# KiCad board GanJing 65 rev 2 solder-rounded.kicad_pcb (continued)
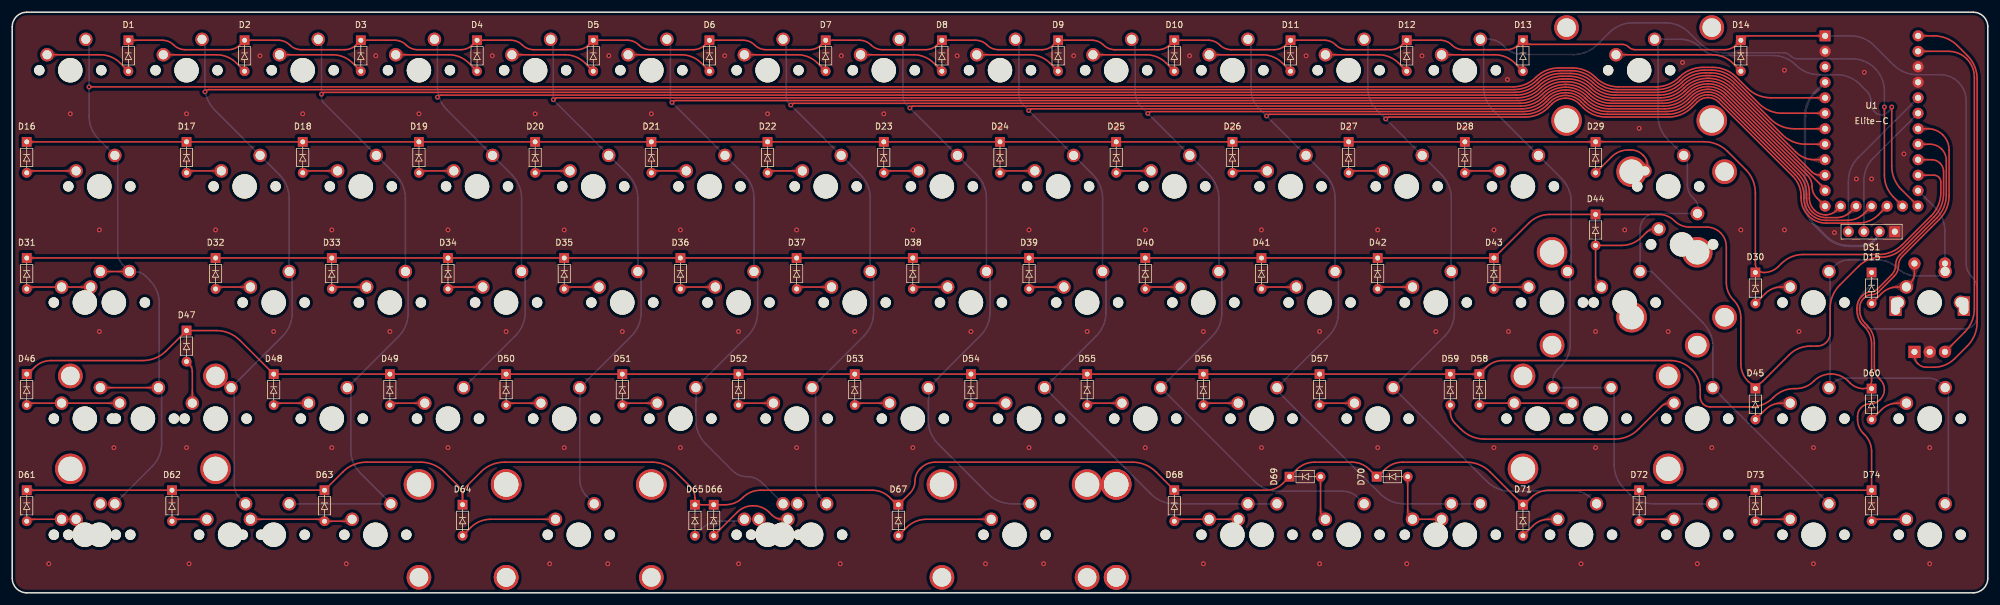
[diagram p0: board, top side]
## Copper pours and planes (outline as drawn; the poured copper is in the pictures) (continued)
Net-(D37-Pad2) on Top: 132.11,50.04 132.37,50.03 132.58,49.99 132.76,49.92 132.91,49.84 133.04,49.75 133.17,49.64 133.3,49.53 133.44,49.41 133.62,49.29 133.82,49.18 134.85,50.16 133.82,51.16 133.62,51.04 133.44,50.92 133.3,50.8 133.17,50.69 133.04,50.58 132.91,50.49 132.76,50.41 132.58,50.34 132.37,50.3 132.11,50.29
Net-(D37-Pad2) on Top: 130.12,50.29 129.91,50.3 129.74,50.32 129.59,50.36 129.46,50.41 129.34,50.46 129.22,50.51 129.1,50.56 128.97,50.6 128.81,50.63 128.62,50.65 128.22,49.69 129.19,49.32 129.29,49.44 129.36,49.55 129.43,49.65 129.5,49.75 129.57,49.83 129.64,49.9 129.73,49.96 129.83,50 129.97,50.03 130.12,50.04
Net-(D37-Pad2) on Top: 130.12,50.29 129.91,50.3 129.74,50.32 129.59,50.36 129.46,50.41 129.34,50.46 129.22,50.51 129.1,50.56 128.97,50.6 128.81,50.63 128.62,50.65 128.22,49.69 129.19,49.32 129.29,49.44 129.36,49.55 129.43,49.65 129.5,49.75 129.57,49.83 129.64,49.9 129.73,49.96 129.83,50 129.97,50.03 130.12,50.04
Net-(D38-Pad2) on Top: 149.18,50.29 148.96,50.3 148.79,50.32 148.64,50.36 148.51,50.41 148.39,50.46 148.27,50.51 148.15,50.56 148.02,50.6 147.86,50.63 147.67,50.65 147.27,49.69 148.24,49.32 148.34,49.44 148.41,49.55 148.48,49.65 148.55,49.75 148.62,49.83 148.69,49.9 148.78,49.96 148.88,50 149.02,50.03 149.18,50.04
Net-(D38-Pad2) on Top: 149.18,50.29 148.96,50.3 148.79,50.32 148.64,50.36 148.51,50.41 148.39,50.46 148.27,50.51 148.15,50.56 148.02,50.6 147.86,50.63 147.67,50.65 147.27,49.69 148.24,49.32 148.34,49.44 148.41,49.55 148.48,49.65 148.55,49.75 148.62,49.83 148.69,49.9 148.78,49.96 148.88,50 149.02,50.03 149.18,50.04
Net-(D38-Pad2) on Top: 151.16,50.04 151.42,50.03 151.63,49.99 151.81,49.92 151.96,49.84 152.09,49.75 152.22,49.64 152.35,49.53 152.49,49.41 152.67,49.29 152.87,49.18 153.9,50.16 152.87,51.16 152.67,51.04 152.49,50.92 152.35,50.8 152.22,50.69 152.09,50.58 151.96,50.49 151.81,50.41 151.63,50.34 151.42,50.3 151.16,50.29
Net-(D38-Pad2) on Top: 151.16,50.04 151.42,50.03 151.63,49.99 151.81,49.92 151.96,49.84 152.09,49.75 152.22,49.64 152.35,49.53 152.49,49.41 152.67,49.29 152.87,49.18 153.9,50.16 152.87,51.16 152.67,51.04 152.49,50.92 152.35,50.8 152.22,50.69 152.09,50.58 151.96,50.49 151.81,50.41 151.63,50.34 151.42,50.3 151.16,50.29
Net-(D39-Pad2) on Top: 170.21,50.04 170.47,50.03 170.68,49.99 170.86,49.92 171.01,49.84 171.14,49.75 171.27,49.64 171.4,49.53 171.54,49.41 171.72,49.29 171.92,49.18 172.95,50.16 171.92,51.16 171.72,51.04 171.54,50.92 171.4,50.8 171.27,50.69 171.14,50.58 171.01,50.49 170.86,50.41 170.68,50.34 170.47,50.3 170.21,50.29
Net-(D39-Pad2) on Top: 170.21,50.04 170.47,50.03 170.68,49.99 170.86,49.92 171.01,49.84 171.14,49.75 171.27,49.64 171.4,49.53 171.54,49.41 171.72,49.29 171.92,49.18 172.95,50.16 171.92,51.16 171.72,51.04 171.54,50.92 171.4,50.8 171.27,50.69 171.14,50.58 171.01,50.49 170.86,50.41 170.68,50.34 170.47,50.3 170.21,50.29
Net-(D39-Pad2) on Top: 168.22,50.29 168.01,50.3 167.84,50.32 167.69,50.36 167.56,50.41 167.44,50.46 167.32,50.51 167.2,50.56 167.07,50.6 166.91,50.63 166.72,50.65 166.32,49.69 167.29,49.32 167.39,49.44 167.46,49.55 167.53,49.65 167.6,49.75 167.67,49.83 167.74,49.9 167.83,49.96 167.93,50 168.07,50.03 168.22,50.04
Net-(D39-Pad2) on Top: 168.22,50.29 168.01,50.3 167.84,50.32 167.69,50.36 167.56,50.41 167.44,50.46 167.32,50.51 167.2,50.56 167.07,50.6 166.91,50.63 166.72,50.65 166.32,49.69 167.29,49.32 167.39,49.44 167.46,49.55 167.53,49.65 167.6,49.75 167.67,49.83 167.74,49.9 167.83,49.96 167.93,50 168.07,50.03 168.22,50.04
Net-(D40-Pad2) on Top: 189.26,50.04 189.52,50.03 189.73,49.99 189.91,49.92 190.06,49.84 190.19,49.75 190.32,49.64 190.45,49.53 190.59,49.41 190.77,49.29 190.97,49.18 192,50.16 190.97,51.16 190.77,51.04 190.59,50.92 190.45,50.8 190.32,50.69 190.19,50.58 190.06,50.49 189.91,50.41 189.73,50.34 189.52,50.3 189.26,50.29
Net-(D40-Pad2) on Top: 187.28,50.29 187.06,50.3 186.89,50.32 186.74,50.36 186.61,50.41 186.49,50.46 186.37,50.51 186.25,50.56 186.12,50.6 185.96,50.63 185.77,50.65 185.37,49.69 186.34,49.32 186.44,49.44 186.51,49.55 186.58,49.65 186.65,49.75 186.72,49.83 186.79,49.9 186.88,49.96 186.98,50 187.12,50.03 187.28,50.04
Net-(D40-Pad2) on Top: 189.26,50.04 189.52,50.03 189.73,49.99 189.91,49.92 190.06,49.84 190.19,49.75 190.32,49.64 190.45,49.53 190.59,49.41 190.77,49.29 190.97,49.18 192,50.16 190.97,51.16 190.77,51.04 190.59,50.92 190.45,50.8 190.32,50.69 190.19,50.58 190.06,50.49 189.91,50.41 189.73,50.34 189.52,50.3 189.26,50.29
Net-(D40-Pad2) on Top: 187.28,50.29 187.06,50.3 186.89,50.32 186.74,50.36 186.61,50.41 186.49,50.46 186.37,50.51 186.25,50.56 186.12,50.6 185.96,50.63 185.77,50.65 185.37,49.69 186.34,49.32 186.44,49.44 186.51,49.55 186.58,49.65 186.65,49.75 186.72,49.83 186.79,49.9 186.88,49.96 186.98,50 187.12,50.03 187.28,50.04
Net-(D41-Pad2) on Top: 208.31,50.04 208.57,50.03 208.78,49.99 208.96,49.92 209.11,49.84 209.24,49.75 209.37,49.64 209.5,49.53 209.64,49.41 209.82,49.29 210.02,49.18 211.05,50.16 210.02,51.16 209.82,51.04 209.64,50.92 209.5,50.8 209.37,50.69 209.24,50.58 209.11,50.49 208.96,50.41 208.78,50.34 208.57,50.3 208.31,50.29
Net-(D41-Pad2) on Top: 208.31,50.04 208.57,50.03 208.78,49.99 208.96,49.92 209.11,49.84 209.24,49.75 209.37,49.64 209.5,49.53 209.64,49.41 209.82,49.29 210.02,49.18 211.05,50.16 210.02,51.16 209.82,51.04 209.64,50.92 209.5,50.8 209.37,50.69 209.24,50.58 209.11,50.49 208.96,50.41 208.78,50.34 208.57,50.3 208.31,50.29
Net-(D41-Pad2) on Top: 206.33,50.29 206.11,50.3 205.94,50.32 205.79,50.36 205.66,50.41 205.54,50.46 205.42,50.51 205.3,50.56 205.17,50.6 205.01,50.63 204.82,50.65 204.42,49.69 205.39,49.32 205.49,49.44 205.56,49.55 205.63,49.65 205.7,49.75 205.77,49.83 205.84,49.9 205.93,49.96 206.03,50 206.17,50.03 206.33,50.04
Net-(D41-Pad2) on Top: 206.33,50.29 206.11,50.3 205.94,50.32 205.79,50.36 205.66,50.41 205.54,50.46 205.42,50.51 205.3,50.56 205.17,50.6 205.01,50.63 204.82,50.65 204.42,49.69 205.39,49.32 205.49,49.44 205.56,49.55 205.63,49.65 205.7,49.75 205.77,49.83 205.84,49.9 205.93,49.96 206.03,50 206.17,50.03 206.33,50.04
Net-(D42-Pad2) on Top: 227.36,50.04 227.62,50.03 227.83,49.99 228.01,49.92 228.16,49.84 228.29,49.75 228.42,49.64 228.55,49.53 228.69,49.41 228.87,49.29 229.07,49.18 230.1,50.16 229.07,51.16 228.87,51.04 228.69,50.92 228.55,50.8 228.42,50.69 228.29,50.58 228.16,50.49 228.01,50.41 227.83,50.34 227.62,50.3 227.36,50.29
Net-(D42-Pad2) on Top: 225.38,50.29 225.16,50.3 224.99,50.32 224.84,50.36 224.71,50.41 224.59,50.46 224.47,50.51 224.35,50.56 224.22,50.6 224.06,50.63 223.87,50.65 223.47,49.69 224.44,49.32 224.54,49.44 224.61,49.55 224.68,49.65 224.75,49.75 224.82,49.83 224.89,49.9 224.98,49.96 225.08,50 225.22,50.03 225.38,50.04
Net-(D42-Pad2) on Top: 227.36,50.04 227.62,50.03 227.83,49.99 228.01,49.92 228.16,49.84 228.29,49.75 228.42,49.64 228.55,49.53 228.69,49.41 228.87,49.29 229.07,49.18 230.1,50.16 229.07,51.16 228.87,51.04 228.69,50.92 228.55,50.8 228.42,50.69 228.29,50.58 228.16,50.49 228.01,50.41 227.83,50.34 227.62,50.3 227.36,50.29
Net-(D42-Pad2) on Top: 225.38,50.29 225.16,50.3 224.99,50.32 224.84,50.36 224.71,50.41 224.59,50.46 224.47,50.51 224.35,50.56 224.22,50.6 224.06,50.63 223.87,50.65 223.47,49.69 224.44,49.32 224.54,49.44 224.61,49.55 224.68,49.65 224.75,49.75 224.82,49.83 224.89,49.9 224.98,49.96 225.08,50 225.22,50.03 225.38,50.04
Net-(D43-Pad2) on Top: 244.42,50.29 244.21,50.3 244.04,50.32 243.89,50.36 243.76,50.41 243.64,50.46 243.52,50.51 243.4,50.56 243.27,50.6 243.11,50.63 242.92,50.65 242.52,49.69 243.49,49.32 243.59,49.44 243.66,49.55 243.73,49.65 243.8,49.75 243.87,49.83 243.94,49.9 244.03,49.96 244.13,50 244.27,50.03 244.42,50.04
Net-(D43-Pad2) on Top: 246.41,50.04 246.67,50.03 246.88,49.99 247.06,49.92 247.21,49.84 247.34,49.75 247.47,49.64 247.6,49.53 247.74,49.41 247.92,49.29 248.12,49.18 249.15,50.16 248.12,51.16 247.92,51.04 247.74,50.92 247.6,50.8 247.47,50.69 247.34,50.58 247.21,50.49 247.06,50.41 246.88,50.34 246.67,50.3 246.41,50.29
Net-(D43-Pad2) on Top: 246.41,50.04 246.67,50.03 246.88,49.99 247.06,49.92 247.21,49.84 247.34,49.75 247.47,49.64 247.6,49.53 247.74,49.41 247.92,49.29 248.12,49.18 249.15,50.16 248.12,51.16 247.92,51.04 247.74,50.92 247.6,50.8 247.47,50.69 247.34,50.58 247.21,50.49 247.06,50.41 246.88,50.34 246.67,50.3 246.41,50.29
Net-(D43-Pad2) on Top: 244.42,50.29 244.21,50.3 244.04,50.32 243.89,50.36 243.76,50.41 243.64,50.46 243.52,50.51 243.4,50.56 243.27,50.6 243.11,50.63 242.92,50.65 242.52,49.69 243.49,49.32 243.59,49.44 243.66,49.55 243.73,49.65 243.8,49.75 243.87,49.83 243.94,49.9 244.03,49.96 244.13,50 244.27,50.03 244.42,50.04
Net-(D44-Pad2) on Top: 259.43,52.06 259.43,51.8 259.43,51.58 259.43,51.39 259.41,50.77 259.41,50.59 259.41,50.4 259.41,50.16 260.84,49.73 261.01,51.15 260.81,51.23 260.62,51.29 260.44,51.33 260.26,51.38 260.1,51.42 259.96,51.49 259.85,51.57 259.76,51.69 259.7,51.85 259.68,52.06
Net-(D44-Pad2) on Top: 267.91,58.98 268.08,59.12 268.24,59.19 268.39,59.21 268.54,59.18 268.68,59.11 268.83,59.02 268.99,58.92 269.16,58.81 269.34,58.71 269.54,58.63 270.47,59.76 269.11,60.49 268.95,60.32 268.8,60.18 268.68,60.06 268.56,59.95 268.34,59.74 268.21,59.63 268.08,59.5 267.92,59.34 267.73,59.15
Net-(D44-Pad2) on Top: 259.43,52.06 259.43,51.8 259.43,51.58 259.43,51.39 259.41,50.77 259.41,50.59 259.41,50.4 259.41,50.16 260.84,49.73 261.01,51.15 260.81,51.23 260.62,51.29 260.44,51.33 260.26,51.38 260.1,51.42 259.96,51.49 259.85,51.57 259.76,51.69 259.7,51.85 259.68,52.06
Net-(D44-Pad2) on Top: 267.91,58.98 268.08,59.12 268.24,59.19 268.39,59.21 268.54,59.18 268.68,59.11 268.83,59.02 268.99,58.92 269.16,58.81 269.34,58.71 269.54,58.63 270.47,59.76 269.11,60.49 268.95,60.32 268.8,60.18 268.68,60.06 268.56,59.95 268.34,59.74 268.21,59.63 268.08,59.5 267.92,59.34 267.73,59.15
Net-(D45-Pad2) on Top: 286.79,29.63 286.65,29.5 286.52,29.41 286.4,29.35 286.28,29.32 286.17,29.29 286.05,29.28 285.93,29.27 285.8,29.25 285.65,29.22 285.49,29.17 285.47,28.13 286.51,28.15 286.55,28.32 286.58,28.46 286.6,28.59 286.61,28.72 286.63,28.84 286.65,28.95 286.69,29.07 286.75,29.19 286.84,29.31 286.96,29.45
Net-(D45-Pad2) on Top: 288.91,30.83 289.2,30.9 289.44,30.92 289.65,30.9 289.84,30.85 290.01,30.76 290.18,30.65 290.35,30.53 290.53,30.39 290.74,30.26 290.99,30.12 292.01,31.12 290.99,32.1 290.72,31.97 290.51,31.85 290.32,31.74 290.15,31.64 289.98,31.55 289.81,31.45 289.62,31.36 289.41,31.27 289.15,31.17 288.84,31.07
Net-(D45-Pad2) on Top: 288.91,30.83 289.2,30.9 289.44,30.92 289.65,30.9 289.84,30.85 290.01,30.76 290.18,30.65 290.35,30.53 290.53,30.39 290.74,30.26 290.99,30.12 292.01,31.12 290.99,32.1 290.72,31.97 290.51,31.85 290.32,31.74 290.15,31.64 289.98,31.55 289.81,31.45 289.62,31.36 289.41,31.27 289.15,31.17 288.84,31.07
Net-(D45-Pad2) on Top: 286.79,29.63 286.65,29.5 286.52,29.41 286.4,29.35 286.28,29.32 286.17,29.29 286.05,29.28 285.93,29.27 285.8,29.25 285.65,29.22 285.49,29.17 285.47,28.13 286.51,28.15 286.55,28.32 286.58,28.46 286.6,28.59 286.61,28.72 286.63,28.84 286.65,28.95 286.69,29.07 286.75,29.19 286.84,29.31 286.96,29.45
Net-(D46-Pad2) on Top: 15.43,30.99 15.69,30.98 15.9,30.94 16.08,30.87 16.23,30.79 16.36,30.7 16.49,30.59 16.62,30.48 16.76,30.36 16.93,30.24 17.14,30.12 18.17,31.12 17.14,32.1 16.93,31.99 16.76,31.87 16.62,31.75 16.49,31.64 16.36,31.53 16.23,31.44 16.08,31.36 15.9,31.29 15.69,31.25 15.43,31.24
Net-(D46-Pad2) on Top: 15.43,30.99 15.69,30.98 15.9,30.94 16.08,30.87 16.23,30.79 16.36,30.7 16.49,30.59 16.62,30.48 16.76,30.36 16.93,30.24 17.14,30.12 18.17,31.12 17.14,32.1 16.93,31.99 16.76,31.87 16.62,31.75 16.49,31.64 16.36,31.53 16.23,31.44 16.08,31.36 15.9,31.29 15.69,31.25 15.43,31.24
Net-(D46-Pad2) on Top: 3.92,31.24 3.71,31.25 3.53,31.27 3.38,31.31 3.25,31.36 3.13,31.41 3.02,31.46 2.9,31.51 2.76,31.55 2.6,31.58 2.42,31.6 2.01,30.64 2.99,30.27 3.08,30.39 3.16,30.5 3.23,30.6 3.29,30.7 3.36,30.78 3.43,30.85 3.52,30.91 3.63,30.95 3.76,30.98 3.92,30.99
Net-(D46-Pad2) on Top: 3.92,31.24 3.71,31.25 3.53,31.27 3.38,31.31 3.25,31.36 3.13,31.41 3.02,31.46 2.9,31.51 2.76,31.55 2.6,31.58 2.42,31.6 2.01,30.64 2.99,30.27 3.08,30.39 3.16,30.5 3.23,30.6 3.29,30.7 3.36,30.78 3.43,30.85 3.52,30.91 3.63,30.95 3.76,30.98 3.92,30.99
Net-(D47-Pad2) on Top: 29.61,36.69 29.57,36.88 29.54,37.05 29.52,37.19 29.5,37.31 29.46,37.54 29.44,37.66 29.42,37.79 29.39,37.94 29.36,38.11 28.3,38.24 28.28,37.2 28.43,37.15 28.58,37.12 28.71,37.1 28.84,37.09 28.97,37.07 29.07,37.03 29.17,36.98 29.25,36.9 29.32,36.79 29.37,36.63
Net-(D47-Pad2) on Top: 29.4,33.31 29.39,33.04 29.35,32.83 29.29,32.66 29.2,32.51 29.11,32.38 29,32.25 28.89,32.12 28.77,31.97 28.65,31.8 28.54,31.59 29.53,30.56 30.52,31.59 30.4,31.8 30.29,31.97 30.17,32.12 30.05,32.25 29.95,32.38 29.85,32.51 29.77,32.66 29.71,32.83 29.67,33.04 29.65,33.31
Net-(D47-Pad2) on Top: 29.4,33.31 29.39,33.04 29.35,32.83 29.29,32.66 29.2,32.51 29.11,32.38 29,32.25 28.89,32.12 28.77,31.97 28.65,31.8 28.54,31.59 29.53,30.56 30.52,31.59 30.4,31.8 30.29,31.97 30.17,32.12 30.05,32.25 29.95,32.38 29.85,32.51 29.77,32.66 29.71,32.83 29.67,33.04 29.65,33.31
Net-(D47-Pad2) on Top: 29.61,36.69 29.57,36.88 29.54,37.05 29.52,37.19 29.5,37.31 29.46,37.54 29.44,37.66 29.42,37.79 29.39,37.94 29.36,38.11 28.3,38.24 28.28,37.2 28.43,37.15 28.58,37.12 28.71,37.1 28.84,37.09 28.97,37.07 29.07,37.03 29.17,36.98 29.25,36.9 29.32,36.79 29.37,36.63
Net-(D48-Pad2) on Top: 46.39,30.99 46.65,30.98 46.86,30.94 47.03,30.87 47.18,30.79 47.32,30.7 47.44,30.59 47.57,30.48 47.72,30.36 47.89,30.24 48.1,30.12 49.13,31.12 48.1,32.1 47.89,31.99 47.72,31.87 47.57,31.75 47.44,31.64 47.32,31.53 47.18,31.44 47.03,31.36 46.86,31.29 46.65,31.25 46.39,31.24
Net-(D48-Pad2) on Top: 44.4,31.24 44.19,31.25 44.01,31.27 43.86,31.31 43.73,31.36 43.61,31.41 43.5,31.46 43.38,31.51 43.24,31.55 43.08,31.58 42.9,31.6 42.5,30.64 43.47,30.27 43.56,30.39 43.64,30.5 43.71,30.6 43.77,30.7 43.84,30.78 43.92,30.85 44,30.91 44.11,30.95 44.24,30.98 44.4,30.99
Net-(D48-Pad2) on Top: 44.4,31.24 44.19,31.25 44.01,31.27 43.86,31.31 43.73,31.36 43.61,31.41 43.5,31.46 43.38,31.51 43.24,31.55 43.08,31.58 42.9,31.6 42.5,30.64 43.47,30.27 43.56,30.39 43.64,30.5 43.71,30.6 43.77,30.7 43.84,30.78 43.92,30.85 44,30.91 44.11,30.95 44.24,30.98 44.4,30.99
Net-(D48-Pad2) on Top: 46.39,30.99 46.65,30.98 46.86,30.94 47.03,30.87 47.18,30.79 47.32,30.7 47.44,30.59 47.57,30.48 47.72,30.36 47.89,30.24 48.1,30.12 49.13,31.12 48.1,32.1 47.89,31.99 47.72,31.87 47.57,31.75 47.44,31.64 47.32,31.53 47.18,31.44 47.03,31.36 46.86,31.29 46.65,31.25 46.39,31.24
Net-(D49-Pad2) on Top: 63.45,31.24 63.24,31.25 63.06,31.27 62.91,31.31 62.78,31.36 62.66,31.41 62.55,31.46 62.43,31.51 62.29,31.55 62.13,31.58 61.95,31.6 61.55,30.64 62.52,30.27 62.61,30.39 62.69,30.5 62.76,30.6 62.82,30.7 62.89,30.78 62.97,30.85 63.05,30.91 63.16,30.95 63.29,30.98 63.45,30.99
Net-(D49-Pad2) on Top: 65.44,30.99 65.7,30.98 65.91,30.94 66.08,30.87 66.23,30.79 66.37,30.7 66.49,30.59 66.62,30.48 66.77,30.36 66.94,30.24 67.15,30.12 68.18,31.12 67.15,32.1 66.94,31.99 66.77,31.87 66.62,31.75 66.49,31.64 66.37,31.53 66.23,31.44 66.08,31.36 65.91,31.29 65.7,31.25 65.44,31.24
Net-(D49-Pad2) on Top: 65.44,30.99 65.7,30.98 65.91,30.94 66.08,30.87 66.23,30.79 66.37,30.7 66.49,30.59 66.62,30.48 66.77,30.36 66.94,30.24 67.15,30.12 68.18,31.12 67.15,32.1 66.94,31.99 66.77,31.87 66.62,31.75 66.49,31.64 66.37,31.53 66.23,31.44 66.08,31.36 65.91,31.29 65.7,31.25 65.44,31.24
Net-(D49-Pad2) on Top: 63.45,31.24 63.24,31.25 63.06,31.27 62.91,31.31 62.78,31.36 62.66,31.41 62.55,31.46 62.43,31.51 62.29,31.55 62.13,31.58 61.95,31.6 61.55,30.64 62.52,30.27 62.61,30.39 62.69,30.5 62.76,30.6 62.82,30.7 62.89,30.78 62.97,30.85 63.05,30.91 63.16,30.95 63.29,30.98 63.45,30.99
Net-(D50-Pad2) on Top: 84.49,30.99 84.75,30.98 84.96,30.94 85.13,30.87 85.28,30.79 85.42,30.7 85.54,30.59 85.67,30.48 85.82,30.36 85.99,30.24 86.2,30.12 87.23,31.12 86.2,32.1 85.99,31.99 85.82,31.87 85.67,31.75 85.54,31.64 85.42,31.53 85.28,31.44 85.13,31.36 84.96,31.29 84.75,31.25 84.49,31.24
Net-(D50-Pad2) on Top: 84.49,30.99 84.75,30.98 84.96,30.94 85.13,30.87 85.28,30.79 85.42,30.7 85.54,30.59 85.67,30.48 85.82,30.36 85.99,30.24 86.2,30.12 87.23,31.12 86.2,32.1 85.99,31.99 85.82,31.87 85.67,31.75 85.54,31.64 85.42,31.53 85.28,31.44 85.13,31.36 84.96,31.29 84.75,31.25 84.49,31.24
Net-(D50-Pad2) on Top: 82.5,31.24 82.29,31.25 82.11,31.27 81.96,31.31 81.83,31.36 81.71,31.41 81.6,31.46 81.48,31.51 81.34,31.55 81.18,31.58 81,31.6 80.6,30.64 81.57,30.27 81.66,30.39 81.74,30.5 81.81,30.6 81.87,30.7 81.94,30.78 82.02,30.85 82.1,30.91 82.21,30.95 82.34,30.98 82.5,30.99
Net-(D50-Pad2) on Top: 82.5,31.24 82.29,31.25 82.11,31.27 81.96,31.31 81.83,31.36 81.71,31.41 81.6,31.46 81.48,31.51 81.34,31.55 81.18,31.58 81,31.6 80.6,30.64 81.57,30.27 81.66,30.39 81.74,30.5 81.81,30.6 81.87,30.7 81.94,30.78 82.02,30.85 82.1,30.91 82.21,30.95 82.34,30.98 82.5,30.99
Net-(D51-Pad2) on Top: 103.54,30.99 103.8,30.98 104.01,30.94 104.18,30.87 104.33,30.79 104.47,30.7 104.59,30.59 104.72,30.48 104.87,30.36 105.04,30.24 105.25,30.12 106.28,31.12 105.25,32.1 105.04,31.99 104.87,31.87 104.72,31.75 104.59,31.64 104.47,31.53 104.33,31.44 104.18,31.36 104.01,31.29 103.8,31.25 103.54,31.24
Net-(D51-Pad2) on Top: 101.55,31.24 101.34,31.25 101.16,31.27 101.01,31.31 100.88,31.36 100.76,31.41 100.65,31.46 100.53,31.51 100.39,31.55 100.23,31.58 100.05,31.6 99.65,30.64 100.62,30.27 100.71,30.39 100.79,30.5 100.86,30.6 100.92,30.7 100.99,30.78 101.07,30.85 101.15,30.91 101.26,30.95 101.39,30.98 101.55,30.99
Net-(D51-Pad2) on Top: 101.55,31.24 101.34,31.25 101.16,31.27 101.01,31.31 100.88,31.36 100.76,31.41 100.65,31.46 100.53,31.51 100.39,31.55 100.23,31.58 100.05,31.6 99.65,30.64 100.62,30.27 100.71,30.39 100.79,30.5 100.86,30.6 100.92,30.7 100.99,30.78 101.07,30.85 101.15,30.91 101.26,30.95 101.39,30.98 101.55,30.99
Net-(D51-Pad2) on Top: 103.54,30.99 103.8,30.98 104.01,30.94 104.18,30.87 104.33,30.79 104.47,30.7 104.59,30.59 104.72,30.48 104.87,30.36 105.04,30.24 105.25,30.12 106.28,31.12 105.25,32.1 105.04,31.99 104.87,31.87 104.72,31.75 104.59,31.64 104.47,31.53 104.33,31.44 104.18,31.36 104.01,31.29 103.8,31.25 103.54,31.24
Net-(D52-Pad2) on Top: 122.59,30.99 122.85,30.98 123.06,30.94 123.23,30.87 123.38,30.79 123.52,30.7 123.64,30.59 123.77,30.48 123.92,30.36 124.09,30.24 124.3,30.12 125.33,31.12 124.3,32.1 124.09,31.99 123.92,31.87 123.77,31.75 123.64,31.64 123.52,31.53 123.38,31.44 123.23,31.36 123.06,31.29 122.85,31.25 122.59,31.24
Net-(D52-Pad2) on Top: 122.59,30.99 122.85,30.98 123.06,30.94 123.23,30.87 123.38,30.79 123.52,30.7 123.64,30.59 123.77,30.48 123.92,30.36 124.09,30.24 124.3,30.12 125.33,31.12 124.3,32.1 124.09,31.99 123.92,31.87 123.77,31.75 123.64,31.64 123.52,31.53 123.38,31.44 123.23,31.36 123.06,31.29 122.85,31.25 122.59,31.24
Net-(D52-Pad2) on Top: 120.6,31.24 120.39,31.25 120.21,31.27 120.06,31.31 119.93,31.36 119.81,31.41 119.7,31.46 119.58,31.51 119.44,31.55 119.28,31.58 119.1,31.6 118.7,30.64 119.67,30.27 119.76,30.39 119.84,30.5 119.91,30.6 119.97,30.7 120.04,30.78 120.12,30.85 120.2,30.91 120.31,30.95 120.44,30.98 120.6,30.99
Net-(D52-Pad2) on Top: 120.6,31.24 120.39,31.25 120.21,31.27 120.06,31.31 119.93,31.36 119.81,31.41 119.7,31.46 119.58,31.51 119.44,31.55 119.28,31.58 119.1,31.6 118.7,30.64 119.67,30.27 119.76,30.39 119.84,30.5 119.91,30.6 119.97,30.7 120.04,30.78 120.12,30.85 120.2,30.91 120.31,30.95 120.44,30.98 120.6,30.99
Net-(D53-Pad2) on Top: 141.64,30.99 141.9,30.98 142.11,30.94 142.28,30.87 142.43,30.79 142.57,30.7 142.69,30.59 142.82,30.48 142.97,30.36 143.14,30.24 143.35,30.12 144.38,31.12 143.35,32.1 143.14,31.99 142.97,31.87 142.82,31.75 142.69,31.64 142.57,31.53 142.43,31.44 142.28,31.36 142.11,31.29 141.9,31.25 141.64,31.24
Net-(D53-Pad2) on Top: 139.65,31.24 139.44,31.25 139.26,31.27 139.11,31.31 138.98,31.36 138.86,31.41 138.75,31.46 138.63,31.51 138.49,31.55 138.33,31.58 138.15,31.6 137.75,30.64 138.72,30.27 138.81,30.39 138.89,30.5 138.96,30.6 139.02,30.7 139.09,30.78 139.17,30.85 139.25,30.91 139.36,30.95 139.49,30.98 139.65,30.99
Net-(D53-Pad2) on Top: 139.65,31.24 139.44,31.25 139.26,31.27 139.11,31.31 138.98,31.36 138.86,31.41 138.75,31.46 138.63,31.51 138.49,31.55 138.33,31.58 138.15,31.6 137.75,30.64 138.72,30.27 138.81,30.39 138.89,30.5 138.96,30.6 139.02,30.7 139.09,30.78 139.17,30.85 139.25,30.91 139.36,30.95 139.49,30.98 139.65,30.99
Net-(D53-Pad2) on Top: 141.64,30.99 141.9,30.98 142.11,30.94 142.28,30.87 142.43,30.79 142.57,30.7 142.69,30.59 142.82,30.48 142.97,30.36 143.14,30.24 143.35,30.12 144.38,31.12 143.35,32.1 143.14,31.99 142.97,31.87 142.82,31.75 142.69,31.64 142.57,31.53 142.43,31.44 142.28,31.36 142.11,31.29 141.9,31.25 141.64,31.24
Net-(D54-Pad2) on Top: 158.7,31.24 158.49,31.25 158.31,31.27 158.16,31.31 158.03,31.36 157.91,31.41 157.8,31.46 157.68,31.51 157.54,31.55 157.38,31.58 157.2,31.6 156.8,30.64 157.77,30.27 157.86,30.39 157.94,30.5 158.01,30.6 158.07,30.7 158.14,30.78 158.22,30.85 158.3,30.91 158.41,30.95 158.54,30.98 158.7,30.99
Net-(D54-Pad2) on Top: 158.7,31.24 158.49,31.25 158.31,31.27 158.16,31.31 158.03,31.36 157.91,31.41 157.8,31.46 157.68,31.51 157.54,31.55 157.38,31.58 157.2,31.6 156.8,30.64 157.77,30.27 157.86,30.39 157.94,30.5 158.01,30.6 158.07,30.7 158.14,30.78 158.22,30.85 158.3,30.91 158.41,30.95 158.54,30.98 158.7,30.99
Net-(D54-Pad2) on Top: 160.69,30.99 160.95,30.98 161.16,30.94 161.33,30.87 161.48,30.79 161.62,30.7 161.74,30.59 161.87,30.48 162.02,30.36 162.19,30.24 162.4,30.12 163.43,31.12 162.4,32.1 162.19,31.99 162.02,31.87 161.87,31.75 161.74,31.64 161.62,31.53 161.48,31.44 161.33,31.36 161.16,31.29 160.95,31.25 160.69,31.24
Net-(D54-Pad2) on Top: 160.69,30.99 160.95,30.98 161.16,30.94 161.33,30.87 161.48,30.79 161.62,30.7 161.74,30.59 161.87,30.48 162.02,30.36 162.19,30.24 162.4,30.12 163.43,31.12 162.4,32.1 162.19,31.99 162.02,31.87 161.87,31.75 161.74,31.64 161.62,31.53 161.48,31.44 161.33,31.36 161.16,31.29 160.95,31.25 160.69,31.24
Net-(D55-Pad2) on Top: 179.74,30.99 180,30.98 180.21,30.94 180.38,30.87 180.53,30.79 180.67,30.7 180.79,30.59 180.92,30.48 181.07,30.36 181.24,30.24 181.45,30.12 182.48,31.12 181.45,32.1 181.24,31.99 181.07,31.87 180.92,31.75 180.79,31.64 180.67,31.53 180.53,31.44 180.38,31.36 180.21,31.29 180,31.25 179.74,31.24
Net-(D55-Pad2) on Top: 177.75,31.24 177.54,31.25 177.36,31.27 177.21,31.31 177.08,31.36 176.96,31.41 176.85,31.46 176.73,31.51 176.59,31.55 176.43,31.58 176.25,31.6 175.85,30.64 176.82,30.27 176.91,30.39 176.99,30.5 177.06,30.6 177.12,30.7 177.19,30.78 177.27,30.85 177.35,30.91 177.46,30.95 177.59,30.98 177.75,30.99
Net-(D55-Pad2) on Top: 177.75,31.24 177.54,31.25 177.36,31.27 177.21,31.31 177.08,31.36 176.96,31.41 176.85,31.46 176.73,31.51 176.59,31.55 176.43,31.58 176.25,31.6 175.85,30.64 176.82,30.27 176.91,30.39 176.99,30.5 177.06,30.6 177.12,30.7 177.19,30.78 177.27,30.85 177.35,30.91 177.46,30.95 177.59,30.98 177.75,30.99
Net-(D55-Pad2) on Top: 179.74,30.99 180,30.98 180.21,30.94 180.38,30.87 180.53,30.79 180.67,30.7 180.79,30.59 180.92,30.48 181.07,30.36 181.24,30.24 181.45,30.12 182.48,31.12 181.45,32.1 181.24,31.99 181.07,31.87 180.92,31.75 180.79,31.64 180.67,31.53 180.53,31.44 180.38,31.36 180.21,31.29 180,31.25 179.74,31.24
Net-(D56-Pad2) on Top: 198.79,30.99 199.05,30.98 199.26,30.94 199.43,30.87 199.58,30.79 199.72,30.7 199.84,30.59 199.97,30.48 200.12,30.36 200.29,30.24 200.5,30.12 201.53,31.12 200.5,32.1 200.29,31.99 200.12,31.87 199.97,31.75 199.84,31.64 199.72,31.53 199.58,31.44 199.43,31.36 199.26,31.29 199.05,31.25 198.79,31.24
Net-(D56-Pad2) on Top: 196.8,31.24 196.59,31.25 196.41,31.27 196.26,31.31 196.13,31.36 196.01,31.41 195.9,31.46 195.78,31.51 195.64,31.55 195.48,31.58 195.3,31.6 194.9,30.64 195.87,30.27 195.96,30.39 196.04,30.5 196.11,30.6 196.17,30.7 196.24,30.78 196.32,30.85 196.4,30.91 196.51,30.95 196.64,30.98 196.8,30.99
Net-(D56-Pad2) on Top: 196.8,31.24 196.59,31.25 196.41,31.27 196.26,31.31 196.13,31.36 196.01,31.41 195.9,31.46 195.78,31.51 195.64,31.55 195.48,31.58 195.3,31.6 194.9,30.64 195.87,30.27 195.96,30.39 196.04,30.5 196.11,30.6 196.17,30.7 196.24,30.78 196.32,30.85 196.4,30.91 196.51,30.95 196.64,30.98 196.8,30.99
Net-(D56-Pad2) on Top: 198.79,30.99 199.05,30.98 199.26,30.94 199.43,30.87 199.58,30.79 199.72,30.7 199.84,30.59 199.97,30.48 200.12,30.36 200.29,30.24 200.5,30.12 201.53,31.12 200.5,32.1 200.29,31.99 200.12,31.87 199.97,31.75 199.84,31.64 199.72,31.53 199.58,31.44 199.43,31.36 199.26,31.29 199.05,31.25 198.79,31.24
Net-(D57-Pad2) on Top: 217.84,30.99 218.1,30.98 218.31,30.94 218.48,30.87 218.63,30.79 218.77,30.7 218.89,30.59 219.02,30.48 219.17,30.36 219.34,30.24 219.55,30.12 220.58,31.12 219.55,32.1 219.34,31.99 219.17,31.87 219.02,31.75 218.89,31.64 218.77,31.53 218.63,31.44 218.48,31.36 218.31,31.29 218.1,31.25 217.84,31.24
Net-(D57-Pad2) on Top: 215.85,31.24 215.64,31.25 215.46,31.27 215.31,31.31 215.18,31.36 215.06,31.41 214.95,31.46 214.83,31.51 214.69,31.55 214.53,31.58 214.35,31.6 213.95,30.64 214.92,30.27 215.01,30.39 215.09,30.5 215.16,30.6 215.22,30.7 215.29,30.78 215.37,30.85 215.45,30.91 215.56,30.95 215.69,30.98 215.85,30.99
Net-(D57-Pad2) on Top: 217.84,30.99 218.1,30.98 218.31,30.94 218.48,30.87 218.63,30.79 218.77,30.7 218.89,30.59 219.02,30.48 219.17,30.36 219.34,30.24 219.55,30.12 220.58,31.12 219.55,32.1 219.34,31.99 219.17,31.87 219.02,31.75 218.89,31.64 218.77,31.53 218.63,31.44 218.48,31.36 218.31,31.29 218.1,31.25 217.84,31.24
Net-(D57-Pad2) on Top: 215.85,31.24 215.64,31.25 215.46,31.27 215.31,31.31 215.18,31.36 215.06,31.41 214.95,31.46 214.83,31.51 214.69,31.55 214.53,31.58 214.35,31.6 213.95,30.64 214.92,30.27 215.01,30.39 215.09,30.5 215.16,30.6 215.22,30.7 215.29,30.78 215.37,30.85 215.45,30.91 215.56,30.95 215.69,30.98 215.85,30.99
Net-(D58-Pad2) on Top: 253.56,30.99 253.82,30.98 254.03,30.94 254.2,30.87 254.35,30.79 254.48,30.7 254.61,30.59 254.74,30.48 254.89,30.36 255.06,30.24 255.27,30.12 256.3,31.12 255.27,32.1 255.06,31.99 254.89,31.87 254.74,31.75 254.61,31.64 254.48,31.53 254.35,31.44 254.2,31.36 254.03,31.29 253.82,31.25 253.56,31.24
